# Altium PCB SPG_300.PcbDoc (part 1 of 7)
Units mil, origin at the board's own origin, x right, y up, seen from the top; angles counter-clockwise.
Board outline 7834.65 x 4330.71 mil, 4 copper layers (Top, Route2-SIG, Route3-GND, Bottom), stack 67.156 mil thick; 659 components, 376 nets, 2304 pads, 665 vias.
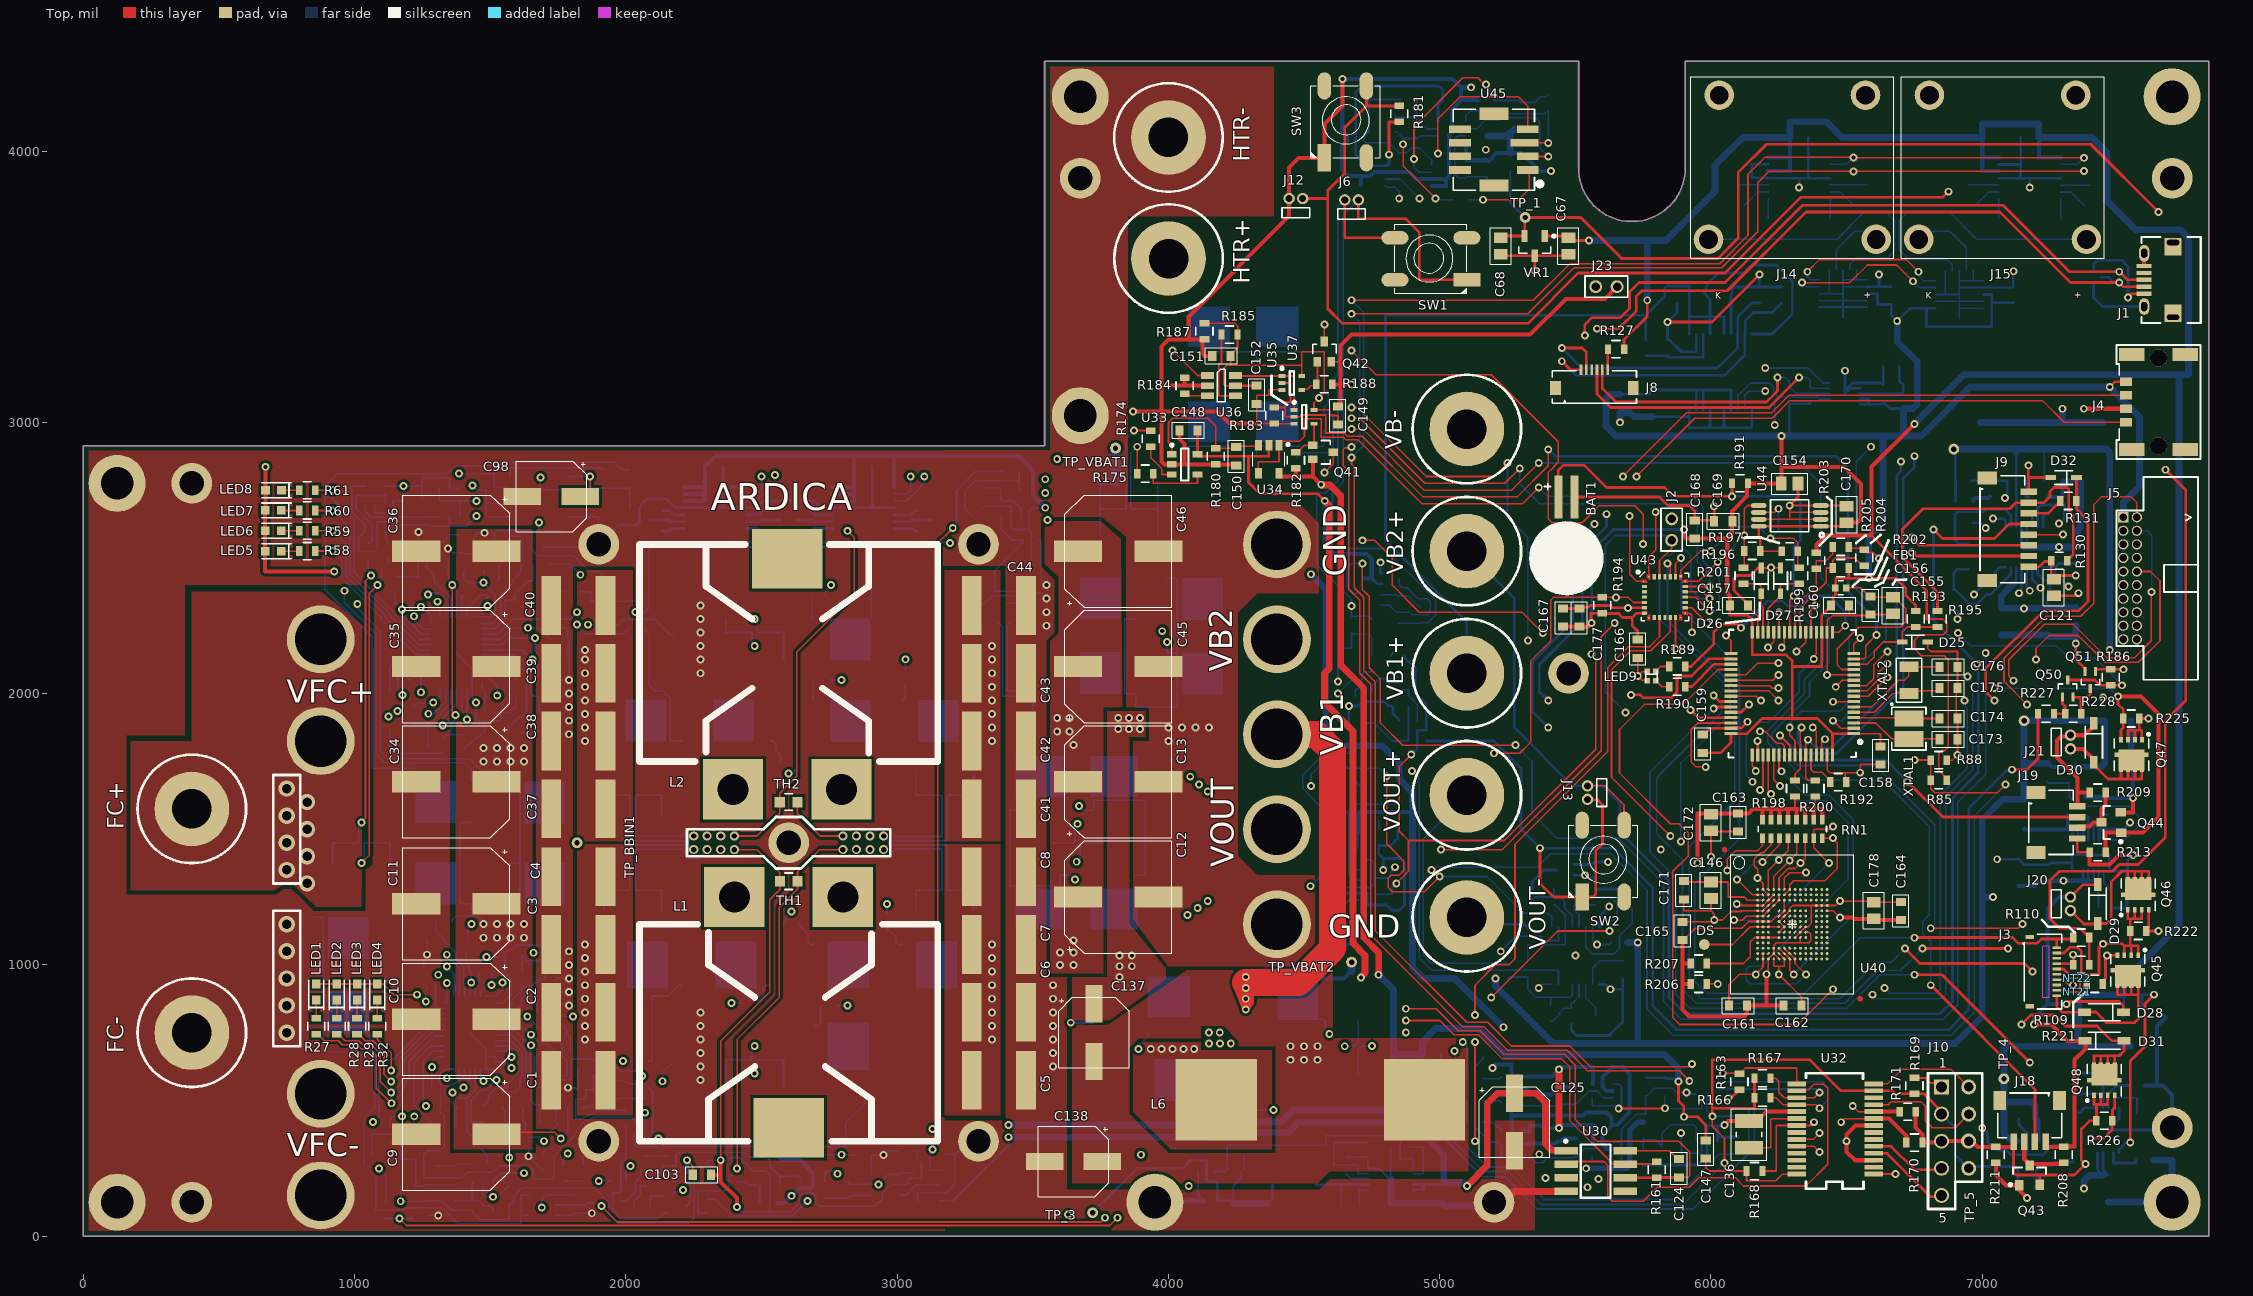
[diagram p0: Top view]
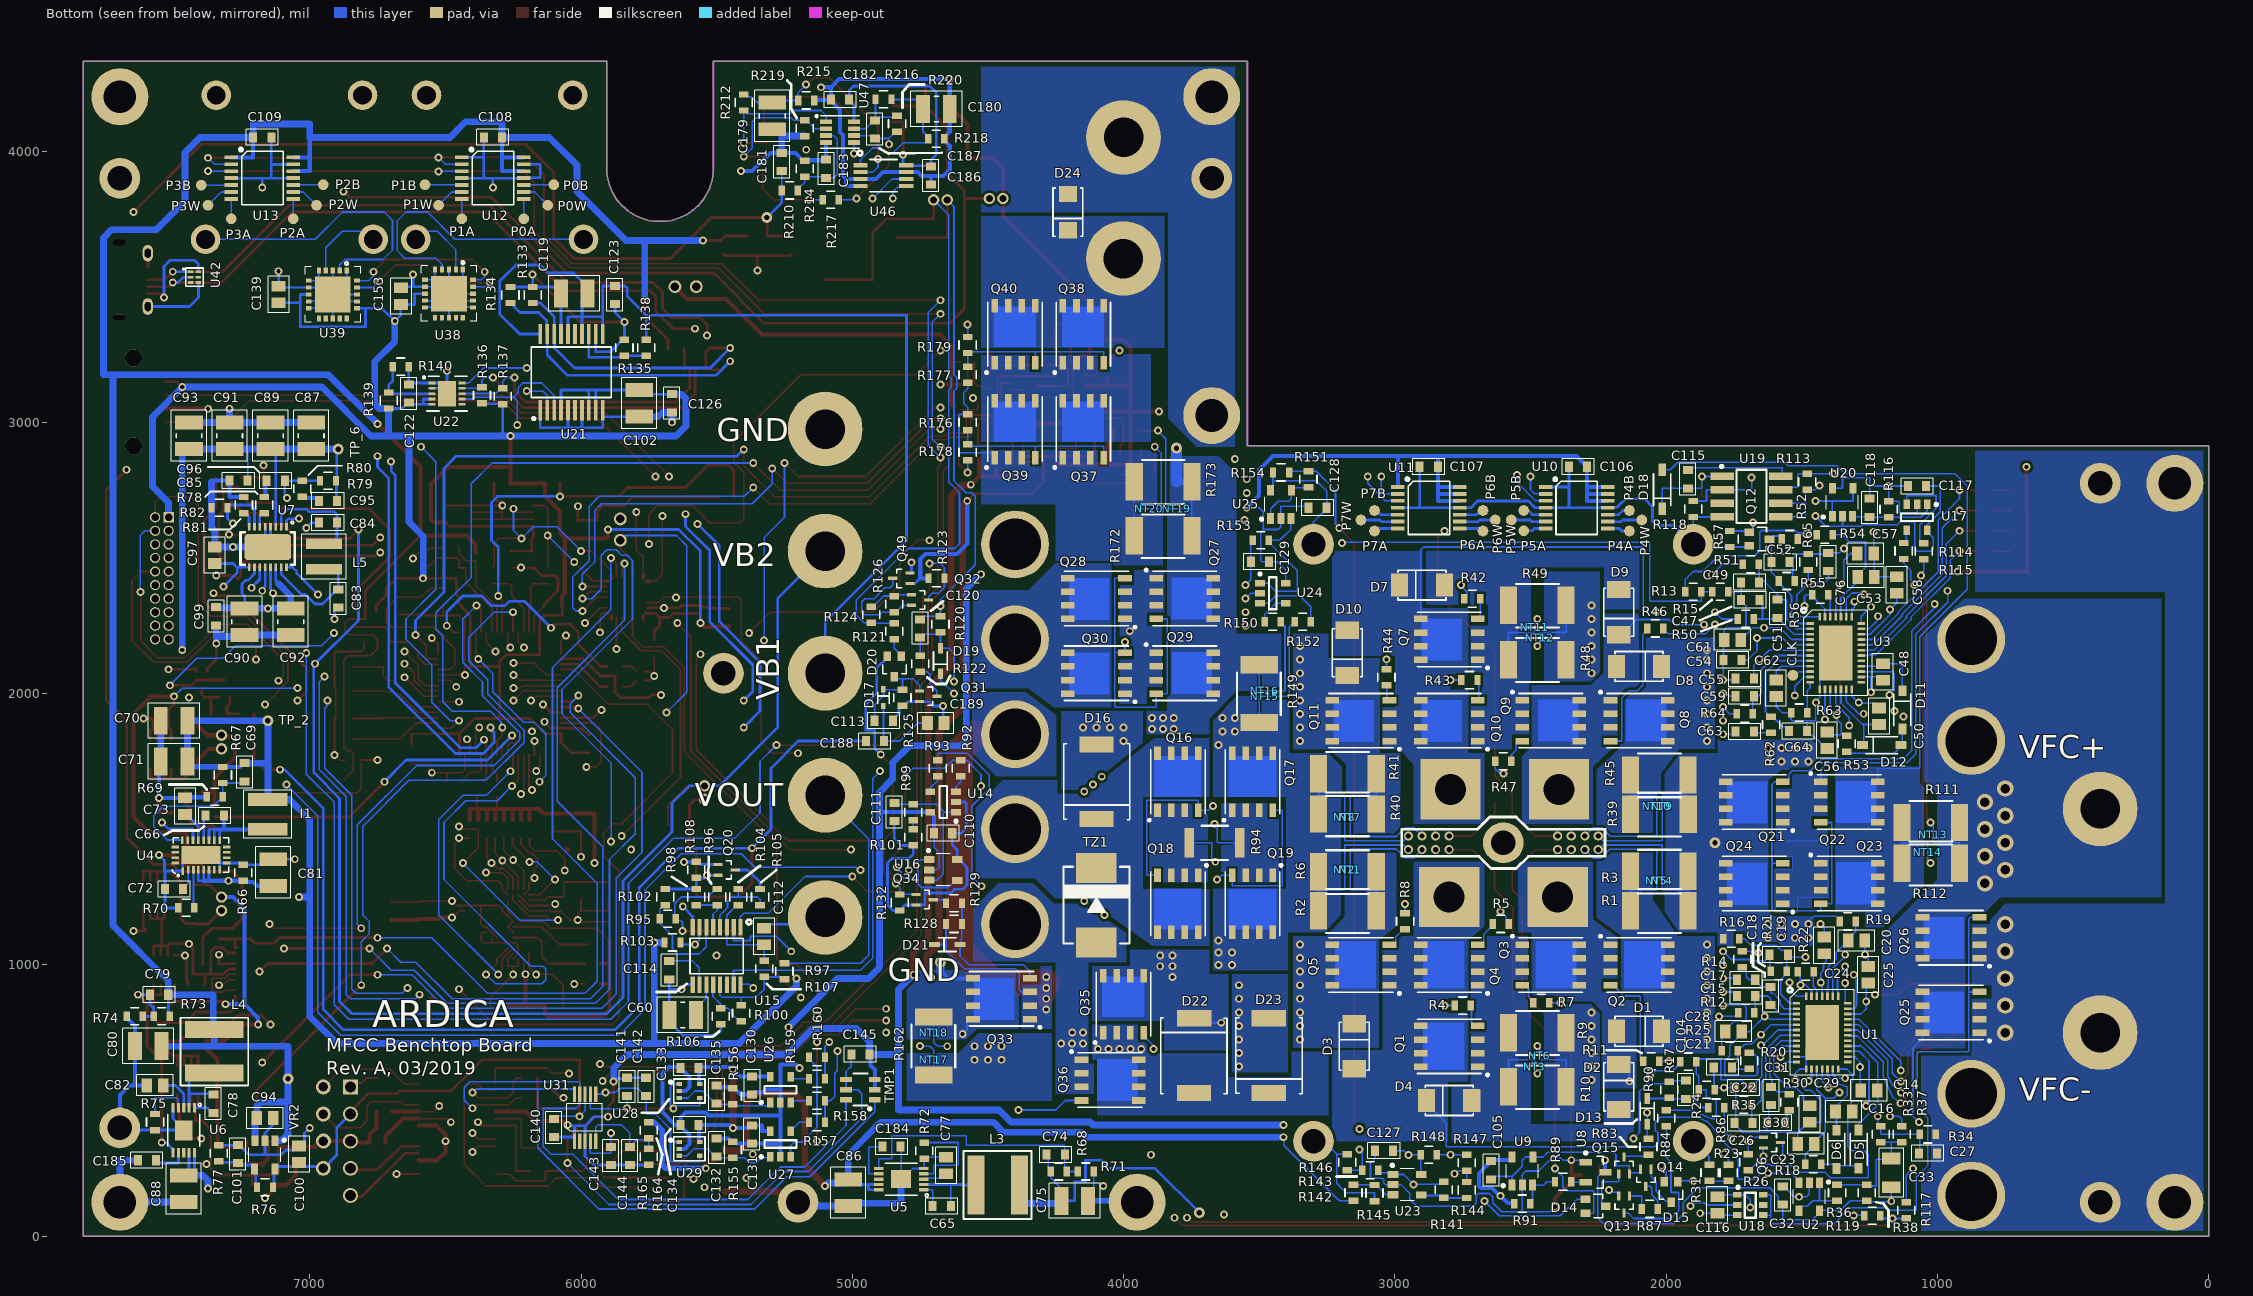
[diagram p1: Bottom view, seen from below]
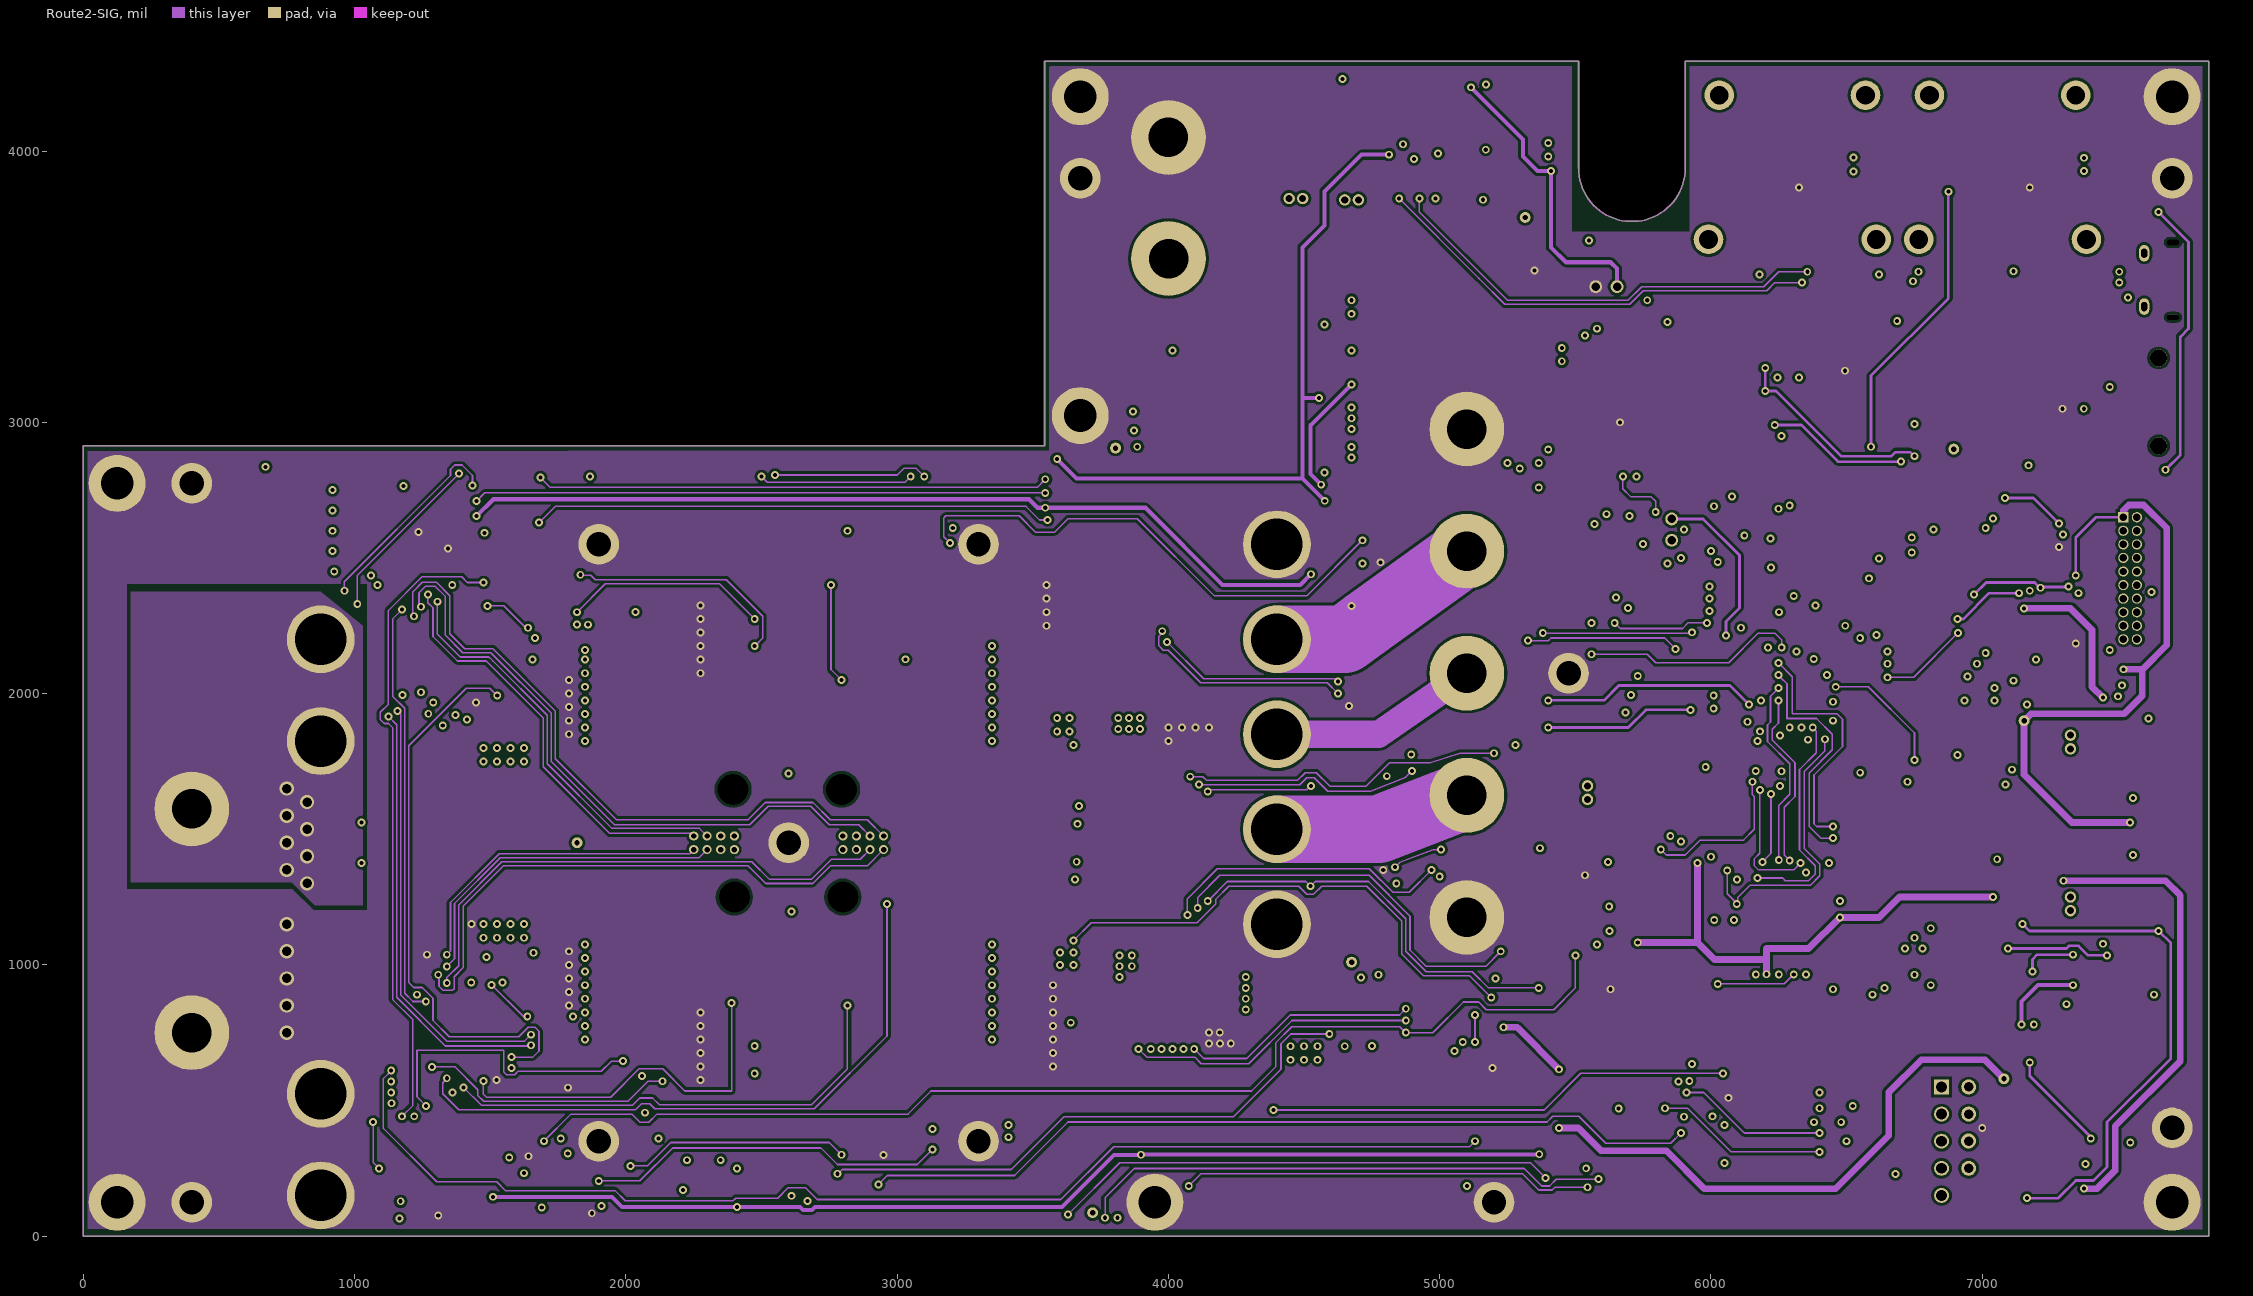
[diagram p2: Route2-SIG]
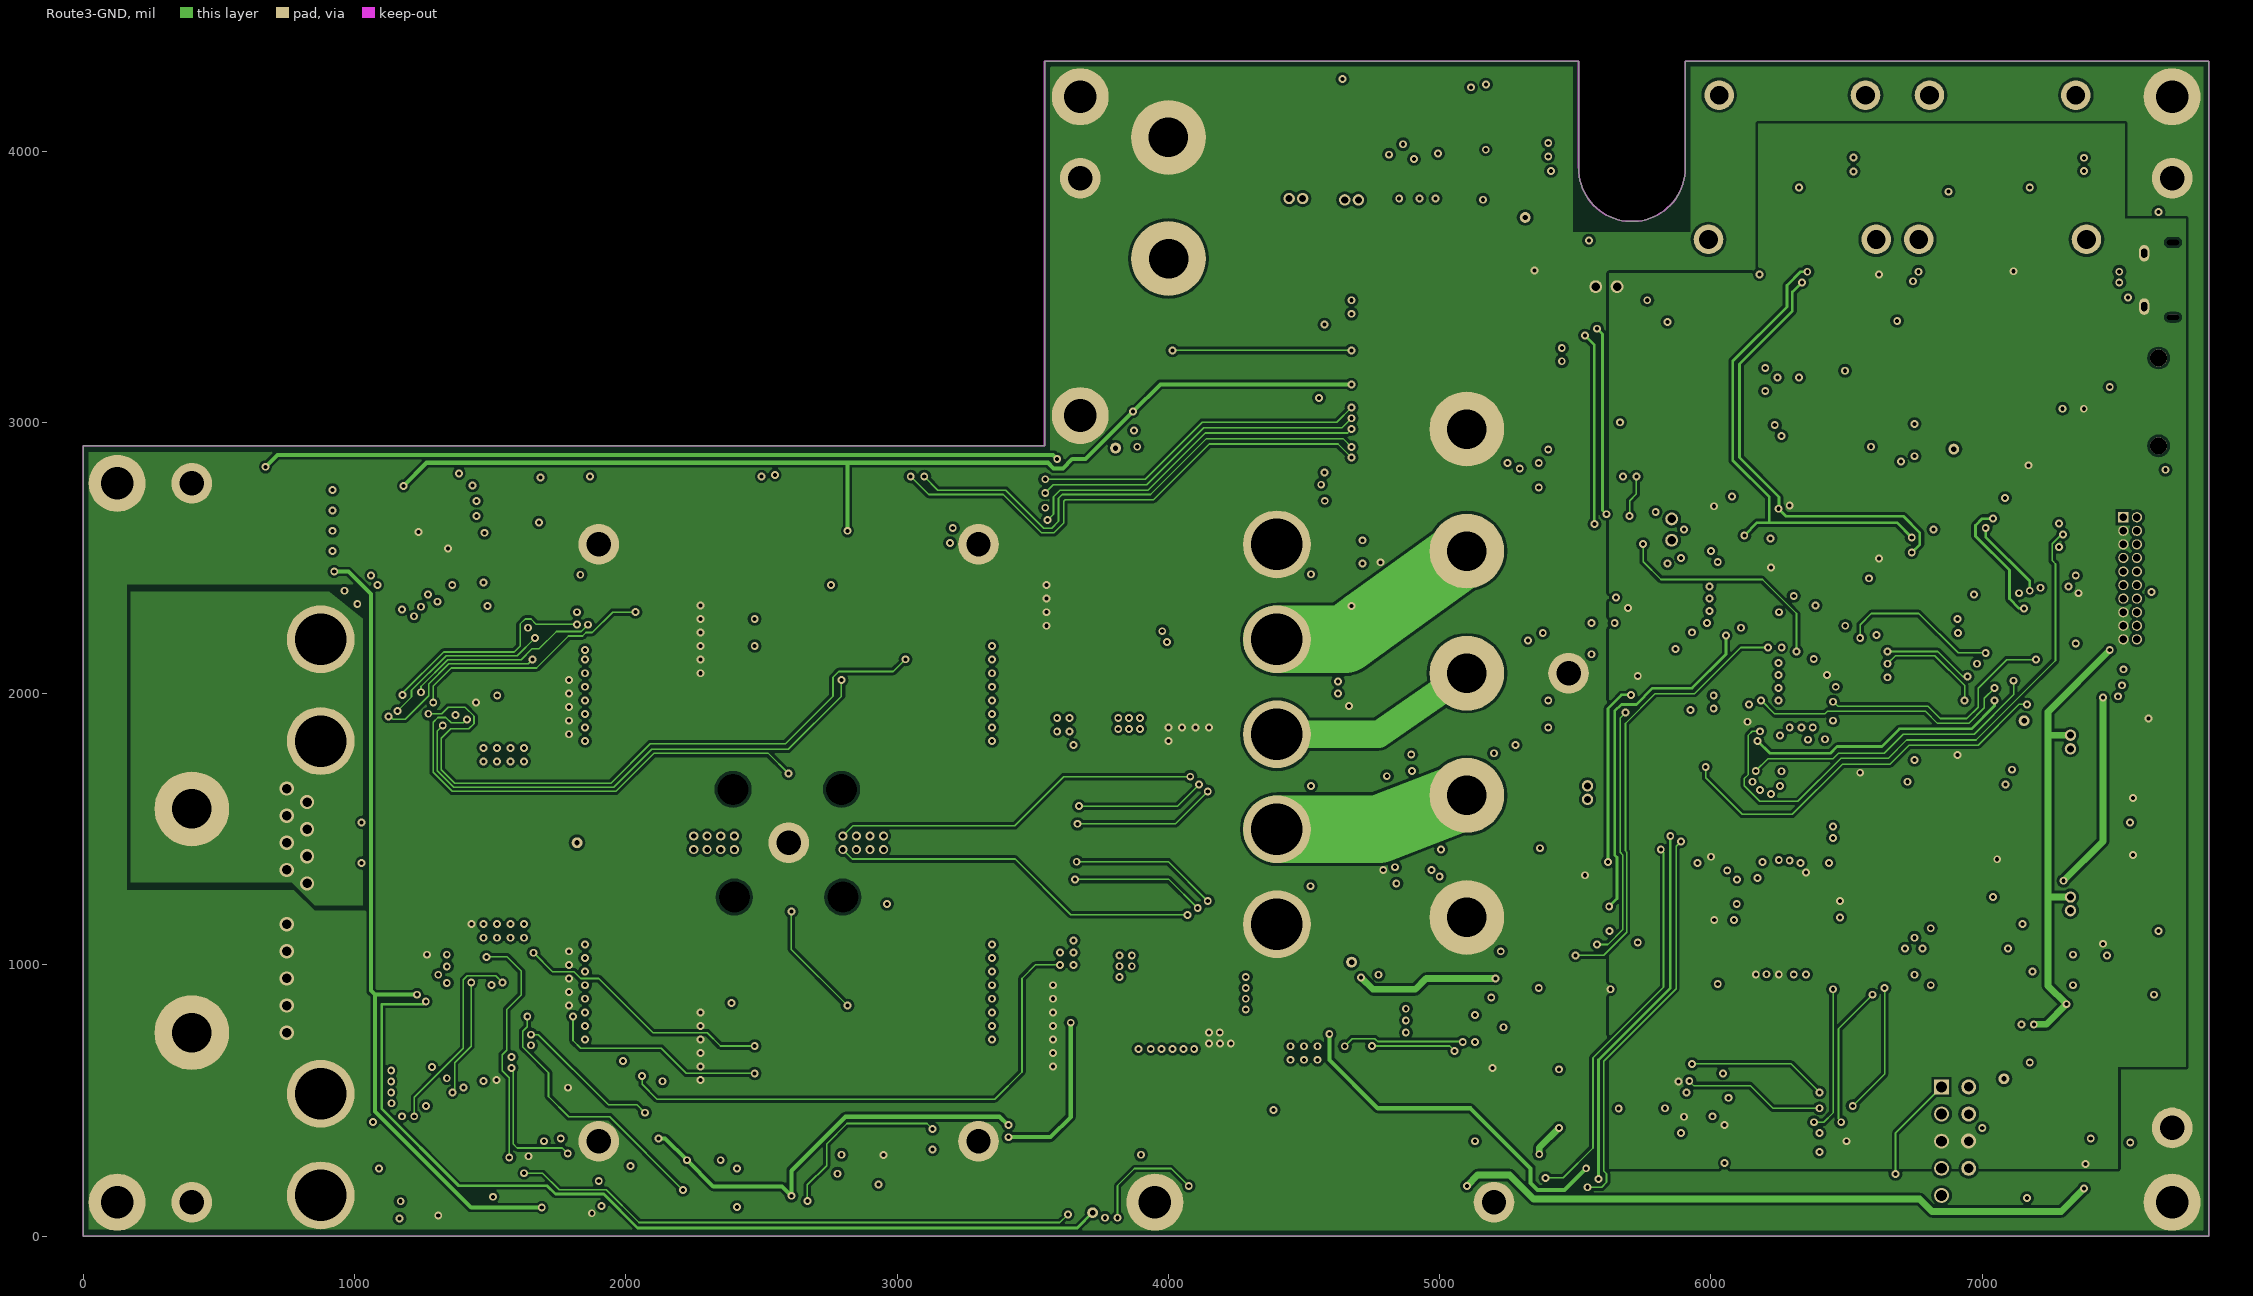
[diagram p3: Route3-GND]

## Layer stack, top to bottom
Top Solder: solder mask 0.4, Solder Resist, Green, Dk 3.5
Top: signal copper 4.2
Dielectric 1: dielectric 8, FR-4, Dk 4.8
Route2-SIG: signal copper 1.3778
Dielectric 2: core 40, FR-4, Dk 4.8
Route3-GND: signal copper 1.3778
Dielectric 3: prepreg 8, FR-4, Dk 4.8
Bottom: signal copper 4.2
Bottom Solder: solder mask 0.4, Solder Resist, Green, Dk 3.5

## Board outline
0,0 0,2913.39 3543.31,2913.39 3543.31,4330.71 5511.81,4330.71 5511.81,3937.01 ccw(c5708.66,3937.01) 5905.51,3937.01 5905.51,4330.71 7834.65,4330.71 7834.65,0

## Design rules (kind name [scope] priority, off if disabled: settings)
Clearance Clearance_BottomLayer [OnBottomLayer] p1: gap=7.5 ignorepadtopadclearanceinfootprint=FALSE
Clearance Clearance_for_PolygonClass_Isolate_15 [InPolygonClass('Isolate_15')] p2: gap=10 ignorepadtopadclearanceinfootprint=FALSE
Clearance Clearance_for_PolygonClass_Isolate_7 [InPolygonClass('Isolate_7')] p3: gap=10 ignorepadtopadclearanceinfootprint=FALSE
Clearance Clearance_for_PolygonClass_Isolate_10 [InPolygonClass('Isolate_10')] p4: gap=10 ignorepadtopadclearanceinfootprint=FALSE
Clearance "Clearance (Same Net)" [All] p5: gap=0 ignorepadtopadclearanceinfootprint=FALSE
Clearance [Not OnBottomLayer] p6: gap=6.5 ignorepadtopadclearanceinfootprint=FALSE
ComponentClearance "Schematic Component Clearance Constraint_21" [InComponent('NT13')] p1: gap=0 collisioncheckmode=3 verticalgap=0 showdistances=FALSE
ComponentClearance "Schematic Component Clearance Constraint_20" [InComponent('NT14')] p2: gap=0 collisioncheckmode=3 verticalgap=0 showdistances=FALSE
ComponentClearance "Schematic Component Clearance Constraint_19" [InComponent('NT15')] p3: gap=0 collisioncheckmode=3 verticalgap=0 showdistances=FALSE
ComponentClearance "Schematic Component Clearance Constraint_18" [InComponent('NT16')] p4: gap=0 collisioncheckmode=3 verticalgap=0 showdistances=FALSE
ComponentClearance "Schematic Component Clearance Constraint_17" [InComponent('NT17')] p5: gap=0 collisioncheckmode=3 verticalgap=0 showdistances=FALSE
ComponentClearance "Schematic Component Clearance Constraint_16" [InComponent('NT18')] p6: gap=0 collisioncheckmode=3 verticalgap=0 showdistances=FALSE
ComponentClearance "Schematic Component Clearance Constraint_15" [InComponent('NT19')] p7: gap=0 collisioncheckmode=3 verticalgap=0 showdistances=FALSE
ComponentClearance "Schematic Component Clearance Constraint_14" [InComponent('NT20')] p8: gap=0 collisioncheckmode=3 verticalgap=0 showdistances=FALSE
ComponentClearance "Schematic Component Clearance Constraint_13" [InComponent('NT1')] p9: gap=0 collisioncheckmode=3 verticalgap=0 showdistances=FALSE
ComponentClearance "Schematic Component Clearance Constraint_12" [InComponent('NT2')] p10: gap=0 collisioncheckmode=3 verticalgap=0 showdistances=FALSE
ComponentClearance "Schematic Component Clearance Constraint_11" [InComponent('NT3')] p11: gap=0 collisioncheckmode=3 verticalgap=0 showdistances=FALSE
ComponentClearance "Schematic Component Clearance Constraint_10" [InComponent('NT4')] p12: gap=0 collisioncheckmode=3 verticalgap=0 showdistances=FALSE
ComponentClearance "Schematic Component Clearance Constraint_9" [InComponent('NT5')] p13: gap=0 collisioncheckmode=3 verticalgap=0 showdistances=FALSE
ComponentClearance "Schematic Component Clearance Constraint_8" [InComponent('NT6')] p14: gap=0 collisioncheckmode=3 verticalgap=0 showdistances=FALSE
ComponentClearance "Schematic Component Clearance Constraint_7" [InComponent('NT7')] p15: gap=0 collisioncheckmode=3 verticalgap=0 showdistances=FALSE
ComponentClearance "Schematic Component Clearance Constraint_6" [InComponent('NT8')] p16: gap=0 collisioncheckmode=3 verticalgap=0 showdistances=FALSE
ComponentClearance "Schematic Component Clearance Constraint_5" [InComponent('NT9')] p17: gap=0 collisioncheckmode=3 verticalgap=0 showdistances=FALSE
ComponentClearance "Schematic Component Clearance Constraint_4" [InComponent('NT10')] p18: gap=0 collisioncheckmode=3 verticalgap=0 showdistances=FALSE
ComponentClearance "Schematic Component Clearance Constraint_3" [InComponent('NT11')] p19: gap=0 collisioncheckmode=3 verticalgap=0 showdistances=FALSE
ComponentClearance "Schematic Component Clearance Constraint_2" [InComponent('NT12')] p20: gap=0 collisioncheckmode=3 verticalgap=0 showdistances=FALSE
ComponentClearance "Schematic Component Clearance Constraint_1" [InComponent('NT21')] p21: gap=0 collisioncheckmode=3 verticalgap=0 showdistances=FALSE
ComponentClearance "Schematic Component Clearance Constraint" [InComponent('NT22')] p22: gap=0 collisioncheckmode=3 verticalgap=0 showdistances=FALSE
ComponentClearance [All] p23: gap=10 collisioncheckmode=3 verticalgap=10 showdistances=FALSE
HoleSize HoleSize_For_NetClass_Power1 [InNetClass('Power1')] p1: absolutevalues=TRUE maxlimit=0 minlimit=0 maxpercent=80.000 minpercent=20.000
HoleSize [All] p2: absolutevalues=TRUE maxlimit=100000 minlimit=10 maxpercent=80.000 minpercent=20.000
HoleToHoleClearance mdDrill [All] p1: gap=7 allowstackedmicrovias=TRUE
MinimumSolderMaskSliver [All] p1 off: minsoldermaskwidth=10
PasteMaskExpansion mlMinCreamFrame [All] p1: expansion=0
PolygonConnect ThermalVias [IsVia] p1: connectstyle=Direct reliefconductorwidth=10 reliefentries=4 polygonreliefangle="90 Angle" airgapwidth=10
PolygonConnect [All] p2: connectstyle=Direct reliefconductorwidth=10 reliefentries=4 polygonreliefangle="90 Angle" airgapwidth=10
RoutingVias [All] p1: holewidth=15 width=29 viastyle="Through Hole" minholewidth=10 minwidth=29 maxholewidth=100 maxwidth=100
SilkToSilkClearance [All] p1 off: silktosilkclearance=10
SilkToSolderMaskClearance [IsPad] p1 off: minsilkscreentomaskgap=10 clearancetoexposedcopper=TRUE
SolderMaskExpansion mlMinStopFrame [All] p1: expansion=2
UnRoutedNet [All] p1 off:
Width Width_For_NetClass_Power1 [InNetClass('Power1')] p1: maxlimit=250 minlimit=6 preferedwidth=10
Width [All] p2: maxlimit=500 minlimit=6 preferedwidth=6
22 further rules are at their usual default settings.

## Classes and differential pairs
polygon class Isolate_10: Polygon_1_Net_BBOUT Polygon_1_Net_GND Polygon_1_Net_IOS+ Polygon_1_Net_IOS- Polygon_1_Net_N$59 Polygon_1_Net_N$80 Polygon_1_Net_N$106 Polygon_1_Net_N$151 Polygon_1_Net_N$165 Polygon_1_Net_N$167 Polygon_1_Net_N$182 Polygon_1_Net_N$183 Polygon_1_Net_N$185 Polygon_1_Net_N$187 Polygon_1_Net_N$189 Polygon_1_Net_N$201 Polygon_1_Net_VB1 Polygon_1_Net_VB2 Polygon_1_Net_VBAT1 Polygon_1_Net_VBAT2 Polygon_1_Net_VFC+ Polygon_1_Net_VOUT Polygon_2_Net_BBIN Polygon_2_Net_BBOUT Polygon_2_Net_GND Polygon_2_Net_N$2 Polygon_2_Net_N$59 Polygon_2_Net_N$165 Polygon_2_Net_N$167 Polygon_2_Net_N$182 Polygon_2_Net_N$183 Polygon_2_Net_VBAT2 Polygon_2_Net_VFC+ Polygon_3_Net_GND Polygon_3_Net_VBAT2 Polygon_3_Net_VFC+ Polygon_4_Net_VFC+ Polygon_6_Net_GND Polygon_7_Net_GND Polygon_8_Net_GND Polygon_9_Net_GND Polygon_10_Net_GND Polygon_11_Net_GND Polygon_12_Net_GND Polygon_13_Net_GND
polygon class Isolate_7: Polygon_1_Net_BBIN Polygon_1_Net_N$103 Polygon_2_Net_N$103
component class "Sh4 Local Supplies": C65 C66 C67 C68 C69 C70 C71 C72 C73 C74 C75 C77 C78 C79 C80 C81 C82 C83 C84 C85 C86 C87 C88 C89 C90 C91 C92 C93 C94 C95 C96 C97 C99 C100 C101 C184 C185 I1 L3 L4 L5 R66 R67 R68 R69 R70 R71 R72 R73 R74 R75 R76 R77 R78 R79 R80 R81 R82 TP_1 TP_2 TP_3 TP_4 TP_5 TP_6 U4 U5 U6 U7 VR1 VR2
component class "Sh5 BB Feedback": C103 C104 C105 C106 C107 C108 C109 D13 D14 D15 P0A P0B P0W P1A P1B P1W P2A P2B P2W P3A P3B P3W P4A P4B P4W P5A P5B P5W P6A P6B P6W P7A P7B P7W Q13 Q14 Q15 R83 R84 R85 R86 R87 R88 R89 R90 R91 TH1 U8 U9 U10 U11 U12 U13
component class "Sh6 Discharge eFuse": C60 C98 C110 C111 C112 C114 C115 C116 C117 C118 D16 D18 FC+ FC- J2 J3 NT13 NT14 Q16 Q17 Q18 Q19 Q20 Q21 Q22 Q23 Q24 Q25 Q26 R92 R93 R94 R95 R96 R97 R98 R99 R100 R101 R102 R103 R104 R105 R106 R107 R108 R109 R110 R111 R112 R113 R114 R115 R116 R117 R118 R119 TP_BBIN1 TZ1 U14 U15 U16 U17 U18 U19 U20 VOUT+ VOUT-
component class "Sh7 Battery  & Power Switches": C102 C113 C119 C120 C121 C122 C123 C126 C188 C189 D17 D19 D20 D21 D32 J6 J8 J9 J13 Q27 Q28 Q29 Q30 Q31 Q32 Q33 Q34 Q49 Q50 Q51 R120 R121 R122 R123 R124 R125 R126 R127 R128 R129 R130 R131 R132 R133 R134 R135 R136 R137 R138 R139 R140 R186 R227 R228 SW1 SW2 TP_VBAT1 TP_VBAT2 U21 U22 VB1+ VB2+ VB-
component class "Sh8 Battery Interface (Analog)": C127 C128 C129 NT15 NT16 R141 R142 R143 R144 R145 R146 R147 R148 R149 R150 R151 R152 R153 R154 U23 U24 U25
component class "Sh9 Battery Cell Balancer": C124 C125 C130 C131 C132 C133 C134 C135 C137 C138 D22 D23 L6 NT17 NT18 Q35 Q36 R155 R156 R157 R158 R159 R160 R161 R162 R163 U26 U27 U28 U29 U30
component class "Sh10 Cell Balancer and CPU Control": C136 C140 C141 C142 C143 C144 C145 C147 J10 R164 R165 R166 R167 R168 R169 R170 R171 TMP1 U31 U32
component class "Sh11 Ardica Control and CPU": BAT1 C146 C154 C155 C156 C157 C158 C159 C160 C161 C162 C163 C164 C165 C166 C167 C168 C169 C170 C171 C172 C173 C174 C175 C176 C177 C178 D25 D26 D27 DS FB1 J1 J4 J5 J23 LED9 R189 R190 R191 R192 R193 R194 R195 R196 R197 R198 R199 R200 R201 R202 R203 R204 R205 R206 R207 RN1 TH2 U40 U41 U42 U43 U44 XTAL1 XTAL2
component class "Sh12 Peripheral Control": C179 C180 C181 C182 C183 C186 C187 D28 D29 D30 D31 J18 J19 J20 J21 NT21 NT22 Q43 Q44 Q45 Q46 Q47 Q48 R208 R209 R210 R211 R212 R213 R214 R215 R216 R217 R218 R219 R220 R221 R222 R225 R226 U45 U46 U47
component class "Sh13 Cart Heater Control": C139 C148 C149 C150 C151 C152 C153 D24 HTR+ HTR- J12 J14 J15 NT19 NT20 Q37 Q38 Q39 Q40 Q41 Q42 R172 R173 R174 R175 R176 R177 R178 R179 R180 R181 R182 R183 R184 R185 R187 R188 SW3 U33 U34 U35 U36 U37 U38 U39
component class "Sh2 500W DC-DC": C1 C2 C3 C4 C5 C6 C7 C8 C9 C10 C11 C12 C13 C14 C15 C16 C17 C18 C19 C20 C21 C22 C23 C24 C25 C26 C27 C28 C29 C30 C31 C32 C33 D1 D2 D3 D4 D5 D6 L1 LED1 LED2 LED3 LED4 NT1 NT2 NT3 NT4 NT5 NT6 Q1 Q2 Q3 Q4 Q5 Q6 R1 R2 R3 R4 R5 R6 R7 R8 R9 R10 R11 R12 R13 R14 R15 R16 R17 R18 R19 R20 R21 R22 R23 R24 R25 R26 R27 R28 R29 R30 R31 R32 R33 R34 R35 R36 R37 R38 U1 U2
component class "Sh3 500W DC-DC": C34 C35 C36 C37 C38 C39 C40 C41 C42 C43 C44 C45 C46 C47 C48 C49 C50 C51 C52 C53 C54 C55 C56 C57 C58 C59 C61 C62 C63 C64 C76 CLK D7 D8 D9 D10 D11 D12 L2 LED5 LED6 LED7 LED8 NT7 NT8 NT9 NT10 NT11 NT12 Q7 Q8 Q9 Q10 Q11 Q12 R39 R40 R41 R42 R43 R44 R45 R46 R47 R48 R49 R50 R51 R52 R53 R54 R55 R56 R57 R58 R59 R60 R61 R62 R63 R64 R65 U3
polygon class Isolate_15: Bottom-GND "Bottom-GND 1" Bottom-NetD24_C Bottom-NetNT20_2 Bottom-NetQ37_D1 L3-DGND Polygon_1_Net_N$2 Polygon_Plane2_Net_GND Polygon_Plane3_Net_GND Top-GND
